# Altium PCB EMDO601_Patch.PcbDoc (part 3 of 3)
Units mil, origin at the board's own origin, x right, y up, seen from the top; angles counter-clockwise.
Board outline 3149.61 x 7086.61 mil, 4 copper layers (Top Layer, Mid-Layer 1, Mid-Layer 2, Bottom Layer), stack 56.141 mil thick; 242 components, 120 nets, 763 pads, 2087 vias.
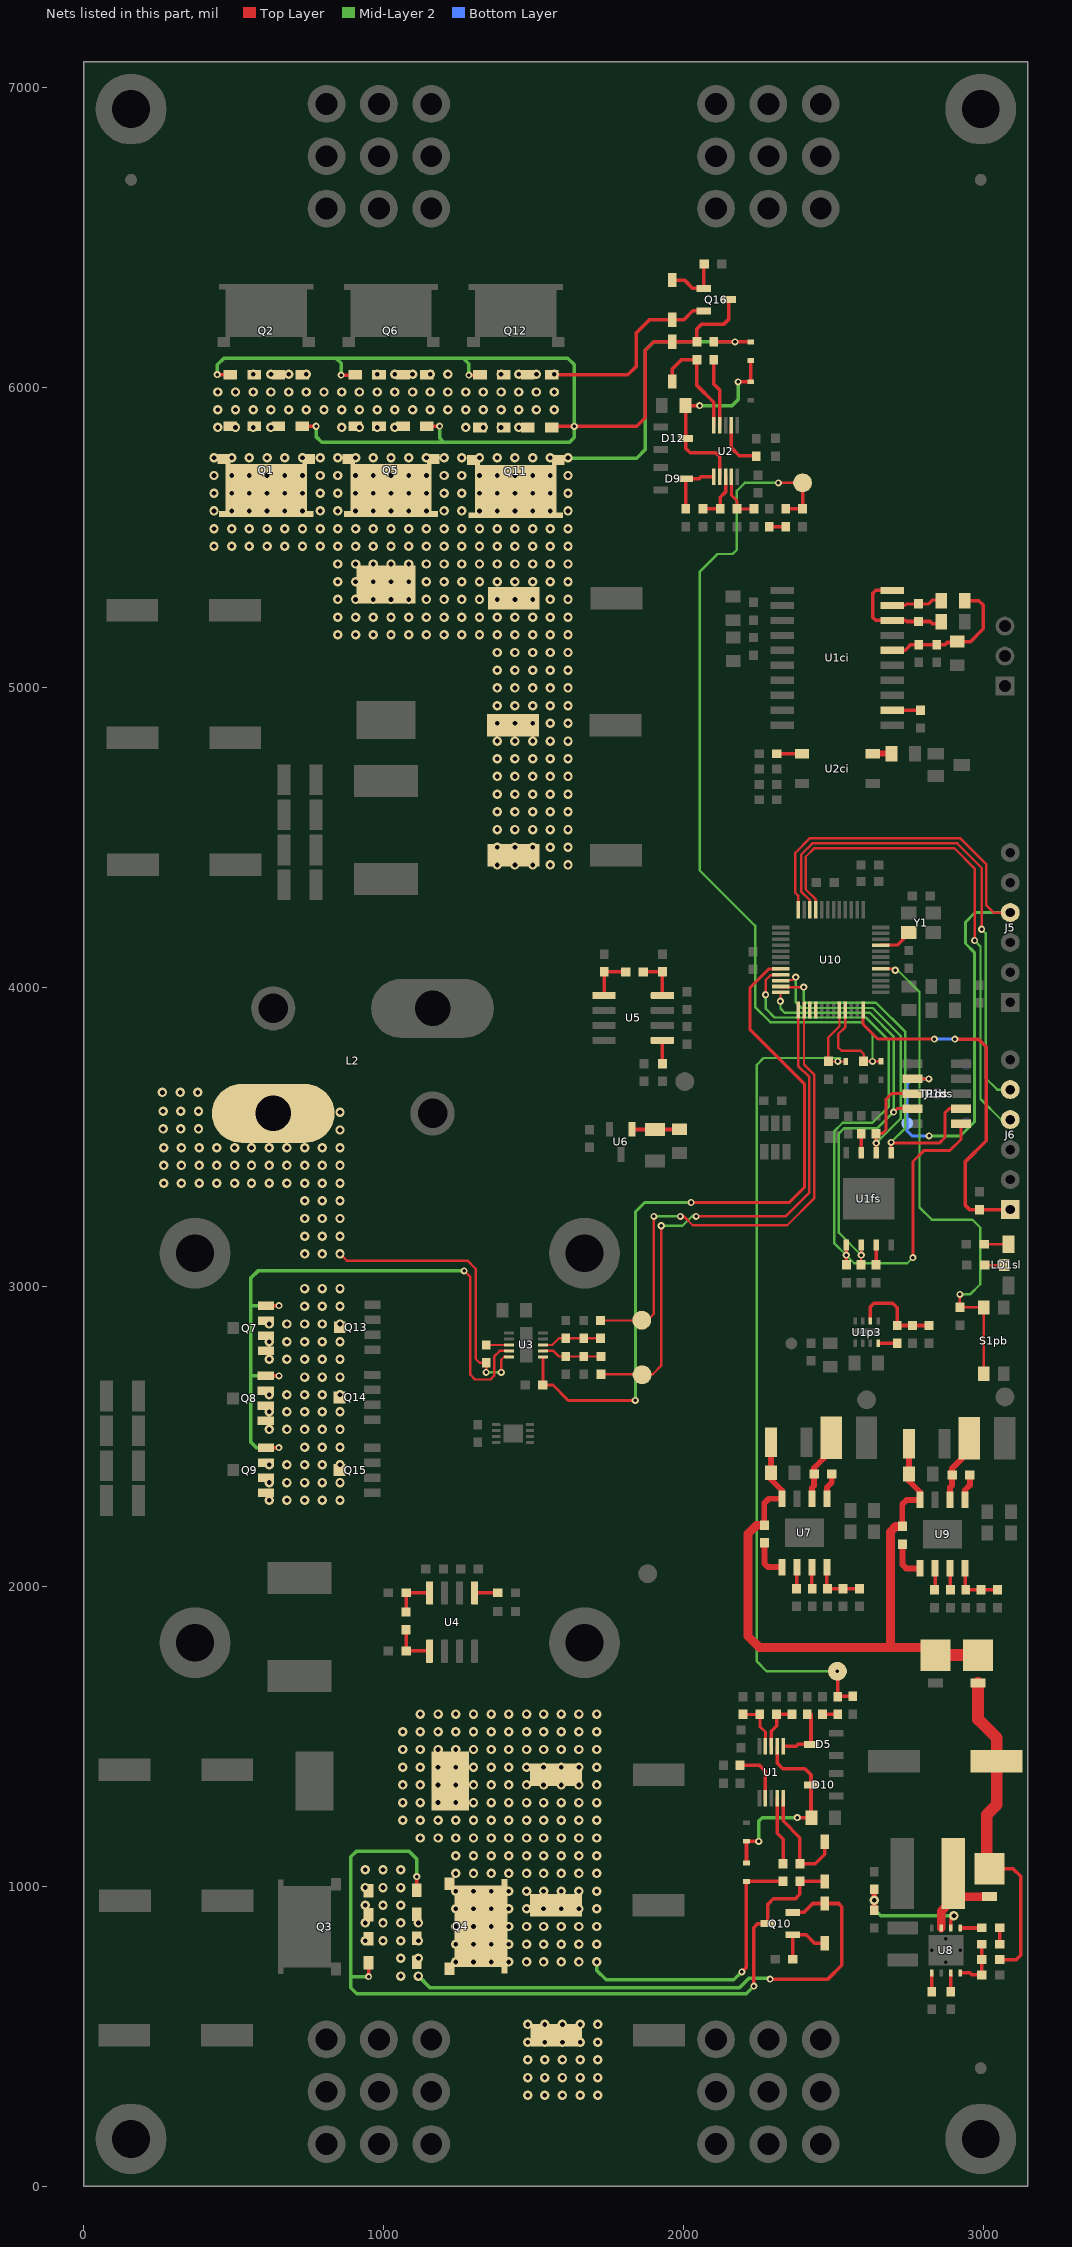
[diagram p5: the nets of this part, all layers, seen from the top]

## Via types
v1: diameter 31.5, hole 15.75, Top Layer to Bottom Layer, tented both sides, 1868 vias
v2: diameter 23.62, hole 11.81, Top Layer to Bottom Layer, tented both sides, 219 vias

## Nets (pads, with @x,y where several pads share a name; then routed paths per layer and width w, separated by ;. In a path a pad name is that pad's centre, name@x,y a point inside that pad or via, vN(x,y) a via of type N, cw(c..) or ccw(c..) an arc to the next point about the centre after c; other vN are vias at no path point) (continued)
MCU_PGD: J1ds.4 J5.4 TP1ds.4 U10.36 | length 2480.7
  Top Layer w7.87: U10.36@2382.87,4257.4 2382.87,4305.12 2373.03,4314.96 2373.03,4447.83 2421.26,4496.06 2924.21,4496.06 3010.97,4409.3 3010.97,4272.49 3034.84,4248.62 J5.4@3082.68,4248.62
  Top Layer w10: J1ds.4@2764.95,3693.9 J1ds.4@2784.63,3693.9 ; J1ds.4@2784.09,3694.44 J1ds.4@2784.63,3693.9 ; v2(2818.9,3693.9) J1ds.4@2784.63,3693.9
  Mid-Layer 2 w10: v2(2819.88,3503.94) 2924.21,3503.94 2970.47,3550.2 2970.47,4116.14 2940.94,4145.67 2940.94,4216.54 2973.03,4248.62 J5.4@3082.68,4248.62
  Bottom Layer w10: v2(2818.9,3693.9) 2763.78,3693.9 2746.69,3676.81 TP1ds.4@2746.69,3546.01 2746.69,3520.04 2762.8,3503.94 v2(2819.88,3503.94)
NetC1ci_1: C1ci.1 L2ci.1 U1ci.19 | length 165.7
  Top Layer w10: U1ci.19@2696.36,5273.62 2739.47,5273.62 2744.59,5278.74 C1ci.1@2783.96,5278.74 2818.41,5278.74 2830.22,5290.55 2850.89,5290.55 L2ci.1@2853.84,5287.6
NetC1ci_2: C1ci.2 L1ci.1 U1ci.18 U1ci.20 | length 379.2
  Top Layer w11.81: U1ci.20@2696.36,5323.62 2641.83,5323.62 2632.38,5314.17 2632.38,5232.48 2641.24,5223.62 U1ci.18@2696.36,5223.62 2740.65,5223.62 2744.59,5219.68 C1ci.2@2783.96,5219.68 2823.33,5219.68 2830.22,5212.8 L1ci.1@2853.84,5212.8
NetC4p3_2: C4p3.2 R1p3.1 R2p3.2 U1p3.2 | length 312.8
  Top Layer w11.81: U1p3.2@2624.02,2886.81 2624.02,2934.06 2634.84,2944.88 2698.82,2944.88 2713.58,2930.12 R1p3.1@2713.58,2871.06 R2p3.2@2764.76,2871.06 C4p3.2@2819.88,2871.06
NetC7_1: C7.1 C8.1 C9.1 D2.A L1.1 Q4.D R5.2 | length 969.5
  Top Layer w11.81: v2@2193.9,713.58 2209.65,729.33 2209.65,1016.73 R5.2@2332.68,1016.73
  Mid-Layer 2 w11.81: v1(1710.63,747.97) 1710.63,719.49 1742.13,687.99 2168.31,687.99 v2(2194.88,714.57)
  other v1: 1480.89,303.16 1537.4,303.15 1596.46,303.15 1655.51,303.15 1714.57,303.15 1480.89,362.21 1537.4,362.2 1596.46,362.2 1655.51,362.2 1714.57,362.2 1480.89,421.27 1537.4,421.26 1596.46,421.26 1655.51,421.26 1714.57,421.26 1480.89,480.32 1537.4,480.31 1596.46,480.31 1655.51,480.31 1714.57,480.31 1480.89,539.38 1537.4,539.37 1596.46,539.37 1655.51,539.37 1714.57,539.37 1240.73,747.97 1299.79,747.97 1358.84,747.97 1417.9,747.97 1476.95,747.97 1533.46,747.97 1592.52,747.97 1651.57,747.97 1240.73,807.03 1299.79,807.03 1358.84,807.03 1417.9,807.03 1476.95,807.03 1533.46,807.02 1592.52,807.02 1651.57,807.02 1710.63,807.02 1240.73,866.08 1299.79,866.08 1358.84,866.08 1417.9,866.08 1476.95,866.08 1533.46,866.08 1592.52,866.08 1651.57,866.08 1710.63,866.08 1240.73,925.14 1299.79,925.14 1358.84,925.14 1417.9,925.14 1476.95,925.14 1533.46,925.13 1592.52,925.13 1651.57,925.13 1710.63,925.13 1240.73,984.19 1299.79,984.19 1358.84,984.19 1417.9,984.19 1476.95,984.19 1533.46,984.19 1592.52,984.19 1651.57,984.19 1710.63,984.19 1240.73,1043.25 1299.79,1043.25 1358.84,1043.25 1417.9,1043.25 1476.95,1043.25 1533.46,1043.24 1592.52,1043.24 1651.57,1043.24 1710.63,1043.24 1240.73,1102.3 1299.79,1102.3 1358.84,1102.3 1417.9,1102.3 1476.95,1102.3 1533.46,1102.3 1592.52,1102.3 1651.57,1102.3 1710.63,1102.3 1122.62,1161.36 1181.68,1161.36 1240.73,1161.36 1299.79,1161.36 1358.84,1161.36 1417.9,1161.36 1476.95,1161.36 1533.46,1161.35 1592.52,1161.35 1651.57,1161.35 1710.63,1161.35 1063.57,1220.41 1122.62,1220.41 1181.68,1220.41 1240.73,1220.41 1299.79,1220.41 1358.84,1220.41 1417.9,1220.41 1476.95,1220.41 1533.46,1220.41 1592.52,1220.41 1651.57,1220.41 1710.63,1220.41 1063.57,1279.47 1122.62,1279.47 1181.68,1279.47 1240.73,1279.47 1299.79,1279.47 1358.84,1279.47 1417.9,1279.47 1476.95,1279.47 1533.46,1279.46 1592.52,1279.46 1651.57,1279.46 1710.63,1279.46 1063.57,1338.52 1122.62,1338.52 1181.68,1338.52 1240.73,1338.52 1299.79,1338.52 1358.84,1338.52 1417.9,1338.52 1476.95,1338.52 1533.46,1338.52 1592.52,1338.52 1651.57,1338.52 1710.63,1338.52 1063.57,1397.58 1122.62,1397.58 1181.68,1397.58 1240.73,1397.58 1299.79,1397.58 1358.84,1397.58 1417.9,1397.58 1476.95,1397.58 1533.46,1397.57 1592.52,1397.57 1651.57,1397.57 1710.63,1397.57 1063.57,1456.63 1122.62,1456.63 1181.68,1456.63 1240.73,1456.63 1299.79,1456.63 1358.84,1456.63 1417.9,1456.63 1476.95,1456.63 1533.46,1456.63 1592.52,1456.63 1651.57,1456.63 1710.63,1456.63 1063.57,1515.69 1122.62,1515.69 1181.68,1515.69 1240.73,1515.69 1299.79,1515.69 1358.84,1515.69 1417.9,1515.69 1476.95,1515.69 1533.46,1515.68 1592.52,1515.68 1651.57,1515.68 1710.63,1515.68 1122.62,1574.74 1181.68,1574.74 1240.73,1574.74 1299.79,1574.74 1358.84,1574.74 1417.9,1574.74 1476.95,1574.74 1533.46,1574.74 1592.52,1574.74 1651.57,1574.74 1710.63,1574.74
NetC15_1: C15.1 C16.1 C17.1 D6.A L3.2 Q1.D Q5.D Q11.D R11.2 | length 1028.4
  Top Layer w11.81: R11.2@2101.38,6152.56 D6.A@2224.4,6152.57
  Mid-Layer 2 w11.81: v1@1623.03,5761.81 1625.98,5764.76 1844.49,5764.76 1873.03,5793.31 1873.03,6125 1900.59,6152.56 v2(2172.24,6152.56)
  other v1: 1378.94,4407.48 1437.99,4407.48 1497.05,4407.48 1556.1,4407.48 1615.16,4407.48 1378.94,4466.54 1437.99,4466.54 1497.05,4466.54 1556.1,4466.54 1615.16,4466.54 1378.94,4525.59 1437.99,4525.59 1497.05,4525.59 1556.1,4525.59 1615.16,4525.59 1378.94,4584.65 1437.99,4584.65 1497.05,4584.65 1556.1,4584.65 1615.16,4584.65 1378.94,4643.7 1437.99,4643.7 1497.05,4643.7 1556.1,4643.7 1615.16,4643.7 1378.94,4702.76 1437.99,4702.76 1497.05,4702.76 1556.1,4702.76 1615.16,4702.76 1378.94,4761.81 1437.99,4761.81 1497.05,4761.81 1556.1,4761.81 1615.16,4761.81 1378.94,4820.87 1437.99,4820.87 1497.05,4820.87 1556.1,4820.87 1615.16,4820.87 1378.94,4879.92 1437.99,4879.92 1497.05,4879.92 1556.1,4879.92 1615.16,4879.92 1378.94,4938.98 1437.99,4938.98 1497.05,4938.98 1556.1,4938.98 1615.16,4938.98 1378.94,4998.03 1437.99,4998.03 1497.05,4998.03 1556.1,4998.03 1615.16,4998.03 1378.94,5057.09 1437.99,5057.09 1497.05,5057.09 1556.1,5057.09 1615.16,5057.09 1378.94,5116.14 1437.99,5116.14 1497.05,5116.14 1556.1,5116.14 1615.16,5116.14 847.44,5175.2 906.5,5175.2 965.55,5175.2 1024.61,5175.2 1083.66,5175.2 1142.72,5175.2 1201.77,5175.2 1260.83,5175.2 1319.88,5175.2 1378.94,5175.2 1437.99,5175.2 1497.05,5175.2 1556.1,5175.2 1615.16,5175.2 847.44,5234.25 906.5,5234.25 965.55,5234.25 1024.61,5234.25 1083.66,5234.25 1142.72,5234.25 1201.77,5234.25 1260.83,5234.25 1319.88,5234.25 1378.94,5234.25 1437.99,5234.25 1497.05,5234.25 1556.1,5234.25 1615.16,5234.25 847.44,5293.31 906.5,5293.31 965.55,5293.31 1024.61,5293.31 1083.66,5293.31 1142.72,5293.31 1201.77,5293.31 1260.83,5293.31 1319.88,5293.31 1378.94,5293.31 1437.99,5293.31 1497.05,5293.31 1556.1,5293.31 1615.16,5293.31 847.44,5352.36 906.5,5352.36 965.55,5352.36 1024.61,5352.36 1083.66,5352.36 1142.72,5352.36 1201.77,5352.36 1260.83,5352.36 1319.88,5352.36 1378.94,5352.36 1437.99,5352.36 1497.05,5352.36 1556.1,5352.36 1615.16,5352.36 847.44,5411.42 906.5,5411.42 965.55,5411.42 1024.61,5411.42 1083.66,5411.42 1142.72,5411.42 1201.77,5411.42 1260.83,5411.42 1319.88,5411.42 1378.94,5411.42 1437.99,5411.42 1497.05,5411.42 1556.1,5411.42 1615.16,5411.42 434.06,5470.47 493.11,5470.47 552.17,5470.47 611.22,5470.47 670.28,5470.47 729.33,5470.47 788.39,5470.47 847.44,5470.47 906.5,5470.47 965.55,5470.47 1024.61,5470.47 1083.66,5470.47 1142.72,5470.47 1201.77,5470.47 1260.83,5470.47 1319.88,5470.47 1378.94,5470.47 1437.99,5470.47 1497.05,5470.47 1556.1,5470.47 1615.16,5470.47 434.06,5529.53 493.11,5529.53 552.17,5529.53 611.22,5529.53 670.28,5529.53 729.33,5529.53 788.39,5529.53 847.44,5529.53 906.5,5529.53 965.55,5529.53 1024.61,5529.53 1083.66,5529.53 1142.72,5529.53 1201.77,5529.53 1260.83,5529.53 1319.88,5529.53 1378.94,5529.53 1437.99,5529.53 1497.05,5529.53 1556.1,5529.53 1615.16,5529.53 434.06,5588.58 493.11,5588.58 552.17,5588.58 611.22,5588.58 670.28,5588.58 729.33,5588.58 788.39,5588.58 847.44,5588.58 906.5,5588.58 965.55,5588.58 1024.61,5588.58 1083.66,5588.58 1142.72,5588.58 1201.77,5588.58 1260.83,5588.58 1319.88,5588.58 1378.94,5588.58 1437.99,5588.58 1497.05,5588.58 1556.1,5588.58 1615.16,5588.58 434.06,5647.64 493.11,5647.64 552.17,5647.64 611.22,5647.64 670.28,5647.64 729.33,5647.64 788.39,5647.64 847.44,5647.64 906.5,5647.64 965.55,5647.64 1024.61,5647.64 1083.66,5647.64 1142.72,5647.64 1201.77,5647.64 1260.83,5647.64 1319.88,5647.64 1378.94,5647.64 1437.99,5647.64 1497.05,5647.64 1556.1,5647.64 1615.16,5647.64 434.06,5706.69 493.11,5706.69 552.17,5706.69 611.22,5706.69 670.28,5706.69 729.33,5706.69 788.39,5706.69 847.44,5706.69 906.5,5706.69 965.55,5706.69 1024.61,5706.69 1083.66,5706.69 1142.72,5706.69 1201.77,5706.69 1260.83,5706.69 1319.88,5706.69 1378.94,5706.69 1437.99,5706.69 1497.05,5706.69 1556.1,5706.69 1615.16,5706.69 434.06,5765.75 493.11,5765.75 552.17,5765.75 611.22,5765.75 670.28,5765.75 729.33,5765.75 788.39,5765.75 847.44,5765.75 906.5,5765.75 965.55,5765.75 1024.61,5765.75 1083.66,5765.75 1142.72,5765.75 1201.77,5765.75 1260.83,5765.75 1319.88,5765.75 1378.94,5765.75 1437.99,5765.75 1497.05,5765.75 1556.1,5765.75 1615.16,5765.75
NetC21_2: C21.2 D1.C D2.C D10.3 U1.2 | length 687
  Top Layer w11.81: D2.C@2210.63,1078.15 D1.C@2210.63,1150.2 v2(2251.38,1150.2) ; U1.2@2312.99,1467.52 2312.99,1411.42 2331.69,1392.72 2405.51,1392.72 2425.79,1372.44 D10.3@2425.79,1338.58 2425.79,1230.71 2424.41,1229.33 v2(2379.92,1229.33)
  Mid-Layer 2 w11.81: v2(2251.38,1150.2) 2251.38,1217.91 2262.8,1229.33 v2(2379.92,1229.33)
NetC22_2: C22.2 U1.7 | length 186.3
  Top Layer w11.81: C22.2@2185.04,1403.54 2253.94,1403.54 2273.62,1383.86 U1.7@2273.62,1294.29
NetC23_2: C23.2 U2.7 | length 178.8
  Top Layer w11.81: U2.7@2160.43,5875 2160.43,5798.23 2186.02,5772.64 2242.13,5772.64 C23.2@2249.02,5765.75
NetC24_2: C24.2 D6.C D7.C D12.3 U2.2 | length 687.2
  Top Layer w11.81: C24.2@2008.27,5938.58 D12.3@2008.27,5830.71 2008.27,5796.85 2022.64,5782.48 2107.28,5782.48 2121.06,5768.7 U2.2@2121.06,5701.77 ; C24.2@2009.65,5939.96 v2@2049.02,5939.96 ; v2@2047.64,5938.58 v2@2049.02,5939.96 ; v2(2054.13,5939.96) v2@2049.02,5939.96 ; v2(2182.68,6019.09) D7.C@2223.43,6019.09 ; D7.C@2224.41,6019.09 D6.C@2224.41,6090.16
  Mid-Layer 2 w11.81: v2(2054.13,5939.96) 2162.4,5939.96 2182.68,5960.24 v2(2182.68,6019.09)
NetC26_1: C26.1 R19.2 R20.2 U3.7 | length 200.7
  Top Layer w7.87: U3.7@1531.89,2786.42 1566.34,2786.42 1585.04,2767.72 C26.1@1607.68,2767.72 R20.2@1667.72,2767.72 R19.2@1724.8,2767.72
NetC27_2: C27.2 U3.3 | length 76.7
  Top Layer w7.87: C27.2@1342.17,2806.11 U3.3@1418.9,2806.1
NetC28_1: C28.1 R21.2 R22.2 U3.8 | length 189.7
  Top Layer w7.87: U3.8@1531.89,2806.1 1562.4,2806.1 1585.04,2828.74 C28.1@1607.68,2828.74 R22.2@1667.72,2828.74 R21.2@1712.25,2828.74
NetC31_1: C31.1 R32.2 U4.1 | length 149.7
  Top Layer w11.81: C31.1@1074.8,1856.3 R32.2@1074.8,1785.43 1152.56,1785.43 U4.1@1153.35,1784.65
NetC31_2: C31.2 R28.2 U4.8 | length 142.6
  Top Layer w11.81: C31.2@1074.8,1915.35 R28.2@1074.8,1979.33 1153.15,1979.33 U4.8@1153.35,1979.13
NetC32_1: C32.1 R33.2 U5.1 | length 149.7
  Top Layer w11.81: U5.1@1735.43,3972.05 1736.22,3972.83 R33.2@1736.22,4050.59 C32.1@1807.09,4050.59
NetC32_2: C32.2 R29.2 U5.8 | length 142.6
  Top Layer w11.81: C32.2@1866.14,4050.59 R29.2@1930.12,4050.59 1930.12,3972.24 U5.8@1929.92,3972.05
NetC37_2: C37.2 FB1.2 U6.1 | length 158.7
  Top Layer w11.81: U6.1@1828.74,3525 1986.61,3525 FB1.2@1987.2,3525.59
NetC39_1: C39.1 U7.5 | length 89.5
  Top Layer w19.68: U7.5@2478.96,2293.17 2478.96,2331.32 2495.08,2347.44 C39.1@2495.08,2375.98
NetC39_2: C39.2 L4.1 U7.6 | length 230.4
  Top Layer w19.68: U7.6@2428.96,2293.17 2428.96,2329.55 2436.02,2336.61 C39.2@2436.02,2375.98 2436.02,2395.67 2493.11,2452.76 L4.1@2493.11,2497.05
NetC40_1: C40.1 R43.1 R46.2 U7.4 | length 179
  Top Layer w11.81: U7.4@2478.96,2064.83 2478.96,1995.45 R46.2@2481.3,1993.11 R43.1@2532.48,1993.11 C40.1@2587.6,1993.11
NetC41_2: C41.2 U7.2 | length 72.7
  Top Layer w11.81: C41.2@2376.8,1992.98 2378.96,1995.14 U7.2@2378.96,2064.83
NetC45_2: C45.2 U8.5 | length 63
  Top Layer w11.81: C45.2@2828.74,648.62 U8.5@2828.74,711.61
NetC46_1: C46.1 D14.C D17.A R44.2 | length 1114.8
  Top Layer w11.81: D14.C@3015.75,1058.07 3100.39,1058.07 3125,1033.46 3125,770.67 3110.24,755.91 R44.2@3055.12,755.91
  Top Layer w39.37: D17.A@2983.27,1679.04 2983.27,1557.09 3045.28,1495.08 C46.1@3045.28,1417.32 3045.28,1272.64 3011.81,1239.17 D14.C@3011.81,1062.05
NetC49_1: C49.1 U8.1 | length 73.2
  Top Layer w11.81: U8.1@2923.23,861.22 2995.08,861.22 C49.1@2996.06,862.2
NetC49_2: C49.2 R42.1 | length 55.1
  Top Layer w11.81: R42.1@3055.12,807.09 C49.2@3055.12,862.2
NetC50_1: C50.1 U9.5 | length 89.5
  Top Layer w19.68: U9.5@2939.59,2289.24 2939.59,2322.47 2955.71,2338.58 C50.1@2955.71,2372.05
NetC50_2: C50.2 L6.1 U9.6 | length 232.4
  Top Layer w19.68: U9.6@2889.59,2289.24 2889.59,2330.54 2896.65,2337.6 C50.2@2896.65,2372.05 2896.65,2394.69 2953.74,2451.77 L6.1@2953.74,2495.08
NetC51_1: C51.1 R49.1 R51.2 U9.4 | length 179
  Top Layer w11.81: U9.4@2939.59,2060.89 2939.59,1991.51 R51.2@2941.93,1989.17 R49.1@2993.11,1989.17 C51.1@3048.23,1989.17
NetC52_2: C52.2 U9.2 | length 72.7
  Top Layer w11.81: C52.2@2837.43,1989.04 2839.59,1991.21 U9.2@2839.59,2060.89
NetD3_A: D3.A Q3.G Q4.G Q10.3 R7.2 | length 2798.6
  Top Layer w11.81: v2(949.8,698.82) 949.8,733.07 950.79,734.06 Q3.G@949.8,735.04 ; Q4.G@1110.43,987.01 v2(1110.43,1032.28) ; v2(2235.24,667.32) 2235.24,861.22 2234.25,862.2 2248.03,875.98 Q10.3@2282.09,875.98 2282.09,940.55 2300.2,958.66 2374.02,958.66 2388.78,973.43 R7.2@2388.78,1016.73 2471.26,1016.73 D3.A@2471.46,1016.54
  Mid-Layer 2 w11.81: v2(949.8,698.82) 890.75,698.82 ; v2(1110.43,1032.28) 1110.43,1091.34 1084.65,1117.13 909.45,1117.13 890.75,1098.43 890.75,698.82 ; v2(2235.24,667.32) 2209.65,641.73 910.43,641.73 890.75,661.42 890.75,698.82
NetD3_C: D3.C R7.1 U1.10 | length 379
  Top Layer w11.81: U1.10@2332.68,1294.29 2332.68,1218.5 2388.78,1162.4 R7.1@2388.78,1075.79 2439.96,1075.79 2471.46,1107.28 D3.C@2471.46,1148.82
NetD4_A: D4.A Q3.S Q4.S Q10.2 | length 1835.5
  Top Layer w11.81: v2(2289.37,690.94) 2482.28,690.94 2528.54,737.2 2528.54,932.09 2517.72,942.91 D4.A@2471.46,942.91 2432.09,942.91 2402.56,913.39 Q10.2@2365.55,913.39
  Mid-Layer 2 w11.81: v1(1116.14,700.79) 1154.53,662.4 2187.01,662.4 2217.52,692.91 2287.4,692.91 v2(2289.37,690.94)
  other v1: 1057.09,700.79 1057.09,759.84 1116.14,759.84 938.98,818.9 998.03,818.9 1057.09,818.9 1116.14,818.9 938.98,877.95 998.03,877.95 1057.09,877.95 1116.14,877.95 938.98,937.01 998.03,937.01 1057.09,937.01 938.98,996.06 998.03,996.06 1057.09,996.06 938.98,1055.12 998.03,1055.12 1057.09,1055.12
NetD4_C: D4.C Q10.1 R13.2 | length 199.3
  Top Layer w11.81: R13.2@2365.16,756.89 2365.55,757.28 Q10.1@2365.55,838.58 2409.45,838.58 2437.4,810.63 D4.C@2471.46,810.63
NetD5_3: D5.3 R2.1 U1.1 | length 196.1
  Top Layer w11.81: U1.1@2332.68,1467.52 2375.98,1467.52 2381.89,1473.43 D5.3@2425.79,1473.43 R2.1@2425.79,1573.43 ; R2.1@2412.99,1573.43 R2.1@2413.39,1573.82
NetD8_A: D8.A Q1.G Q2.G Q5.G Q6.G Q11.G Q12.G Q16.3 R12.1 | length 3761.6
  Top Layer w11.81: v2(444.88,6043.31) Q2.G@488.59,6043.31 ; Q1.G@728.54,5871.06 v2(774.61,5871.06) ; v2(858.27,6041.34) 903.54,6041.34 Q6.G@904.73,6042.52 ; Q5.G@1144.49,5870.86 1144.97,5871.35 v2(1187.05,5871.35) ; v2(1284.45,6041.34) 1320.47,6041.34 Q12.G@1321.46,6042.32 ; Q11.G@1560.83,5870.86 v2(1635.83,5870.86) 1844.29,5870.86 1873.03,5899.61 1873.03,6125 1900.79,6152.76 D8.A@1962.6,6152.76 1962.8,6152.56 R12.1@2045.28,6152.56 2045.28,6195.87 2060.04,6210.63 2133.86,6210.63 2151.97,6228.74 Q16.3@2151.97,6293.31
  Mid-Layer 2 w11.81: v2(444.88,6043.31) 444.88,6075.79 467.52,6098.43 840.55,6098.43 ; v2(774.61,5871.06) 774.61,5836.61 793.31,5817.91 1200.79,5817.91 ; v2(858.27,6041.34) 858.27,6080.71 840.55,6098.43 ; v2(1187.05,5871.35) 1187.05,5831.65 1200.79,5817.91 ; v2(1284.45,6041.34) 1284.45,6079.72 1265.75,6098.43 ; 840.55,6098.43 1265.75,6098.43 ; 1200.79,5817.91 1620.08,5817.91 1635.83,5833.66 v2(1635.83,5870.86) 1635.83,6076.77 1614.17,6098.43 1265.75,6098.43
NetD8_C: D8.C R12.2 U2.10 | length 379
  Top Layer w11.81: D8.C@1962.6,6020.47 1962.6,6062.01 1994.09,6093.5 R12.2@2045.28,6093.5 2045.28,6006.89 2101.38,5950.79 U2.10@2101.38,5875
NetD9_3: D9.3 R8.1 U2.1 | length 196.1
  Top Layer w11.81: R8.1@2007.87,5595.47 2008.27,5595.87 D9.3@2008.27,5695.87 2052.17,5695.87 2058.07,5701.77 U2.1@2101.38,5701.77
NetD11_A: D11.A Q1.S Q2.S Q5.S Q6.S Q11.S Q12.S Q16.2 | length 665.7
  Top Layer w11.81: Q12.S@1561.22,6042.32 1814.96,6042.32 1843.5,6070.87 1843.5,6183.07 1886.81,6226.38 D11.A@1962.6,6226.38 2001.97,6226.38 2031.5,6255.91 Q16.2@2068.5,6255.91
  Mid-Layer 2 w11.81: v1@1576.77,6040.35 v1@1579.72,6043.31
  other v1: 446.85,5867.13 505.91,5867.13 564.96,5867.13 624.02,5867.13 860.24,5867.13 919.29,5867.13 978.35,5867.13 1037.4,5867.13 1273.62,5867.13 1332.68,5867.13 1391.73,5867.13 1450.79,5867.13 446.85,5926.18 505.91,5926.18 564.96,5926.18 624.02,5926.18 683.07,5926.18 742.13,5926.18 801.18,5926.18 860.24,5926.18 919.29,5926.18 978.35,5926.18 1037.4,5926.18 1096.46,5926.18 1155.51,5926.18 1214.57,5926.18 1273.62,5926.18 1332.68,5926.18 1391.73,5926.18 1450.79,5926.18 1509.84,5926.18 1568.9,5926.18 446.85,5985.24 505.91,5985.24 564.96,5985.24 624.02,5985.24 683.07,5985.24 742.13,5985.24 801.18,5985.24 860.24,5985.24 919.29,5985.24 978.35,5985.24 1037.4,5985.24 1096.46,5985.24 1155.51,5985.24 1214.57,5985.24 1273.62,5985.24 1332.68,5985.24 1391.73,5985.24 1450.79,5985.24 1509.84,5985.24 1568.9,5985.24 564.96,6044.29 624.02,6044.29 683.07,6044.29 742.13,6044.29 978.35,6044.29 1037.4,6044.29 1096.46,6044.29 1155.51,6044.29 1214.57,6044.29 1391.73,6044.29 1450.79,6044.29 1509.84,6044.29 1568.9,6044.29
NetD11_C: D11.C Q16.1 R18.2 | length 199.3
  Top Layer w11.81: D11.C@1962.6,6358.66 2003.54,6358.66 2031.5,6330.71 Q16.1@2068.5,6330.71 2068.5,6412.01 R18.2@2068.9,6412.4
NetD14_A: D14.A L5.2 U8.3 | length 300.3
  Top Layer w29.53: U8.3@2860.24,861.22 2860.24,917.32 2900.94,958.03 L5.2@2900.94,1031.5 ; L5.2@2907.48,965.55 D14.A@3020.67,965.55
NetLD1sl_2: LD1sl.2 R1sl.2 | length 66.1
  Top Layer w7.87: R1sl.2@3005.07,3072.49 3070.03,3072.49 LD1sl.2@3070.87,3073.33
NetLD1sl_3: LD1sl.3 R2sl.2 | length 81.6
  Top Layer w7.87: R2sl.2@3003.1,3142.37 3084.5,3142.37 LD1sl.3@3084.65,3142.22
NetR1ci_2: R1ci.2 U1ci.12 | length 94.6
  Top Layer w11.81: U1ci.12@2696.36,4923.62 2790.65,4923.62 R1ci.2@2790.85,4923.43
NetR1p3_2: R1p3.2 U1p3.8 | length 64
  Top Layer w11.81: U1p3.8@2649.61,2812.01 R1p3.2@2713.58,2812.01
NetR2ci_2: R2ci.2 U2ci.1 | length 83.9
  Top Layer w11.81: R2ci.2@2312.01,4778.54 2395.08,4778.54 U2ci.1@2395.67,4779.13
NetR2fs_1: R2fs.1 U1fs.3 | length 67.2
  Top Layer w11.81: R2fs.1@2642.72,3073.13 2643.31,3073.72 U1fs.3@2643.31,3140.06
NetR3_1: R3.1 R14.2 U1.3 | length 170.7
  Top Layer w11.81: U1.3@2293.31,1467.52 2293.31,1517.72 2311.02,1535.43 R14.2@2311.02,1573.82 R3.1@2362.2,1573.82 R3.1@2368.11,1573.82
NetR3ci_1: R3ci.1 U2ci.4 | length 62.3
  Top Layer w19.68: U2ci.4@2631.89,4779.13 2693.31,4779.13 R3ci.1@2693.9,4778.54
NetR3fs_1: R3fs.1 U1fs.7 | length 64.1
  Top Layer w11.81: U1fs.7@2593.31,3447.15 2593.31,3510.93 R3fs.1@2593.5,3511.12
NetR4_1: R4.1 R15.2 U1.4 | length 170.1
  Top Layer w10: R15.2@2198.82,1573.82 R4.1@2254.92,1573.82 2254.92,1533.47 2273.62,1514.76 U1.4@2273.62,1467.52
NetR5_1: R5.1 U1.9 | length 226.7
  Top Layer w11.81: U1.9@2312.99,1294.29 2312.99,1177.17 2332.68,1157.48 R5.1@2332.68,1075.79
NetR9_1: R9.1 R16.2 U2.4 | length 170.1
  Top Layer w10: U2.4@2160.43,5701.77 2160.43,5640.75 2179.13,5622.05 R9.1@2179.13,5595.47 R16.2@2235.24,5595.47
NetR10_1: R10.1 R17.2 U2.3 | length 170.7
  Top Layer w11.81: R10.1@2065.95,5595.47 R17.2@2123.03,5595.47 2123.03,5633.86 2140.75,5651.57 U2.3@2140.75,5701.77
NetR11_1: R11.1 U2.9 | length 226.7
  Top Layer w11.81: R11.1@2101.38,6093.5 2101.38,6011.81 2121.06,5992.13 U2.9@2121.06,5875
NetR30_1: R30.1 U4.5 | length 77.6
  Top Layer w11.81: U4.5@1303.35,1979.13 1303.54,1979.33 R30.1@1380.91,1979.33
NetR31_1: R31.1 U5.5 | length 77.6
  Top Layer w11.81: U5.5@1929.92,3822.05 1930.12,3821.85 R31.1@1930.12,3744.49